# Altium PCB TEBF0808.PcbDoc (part 1 of 11) (continued)
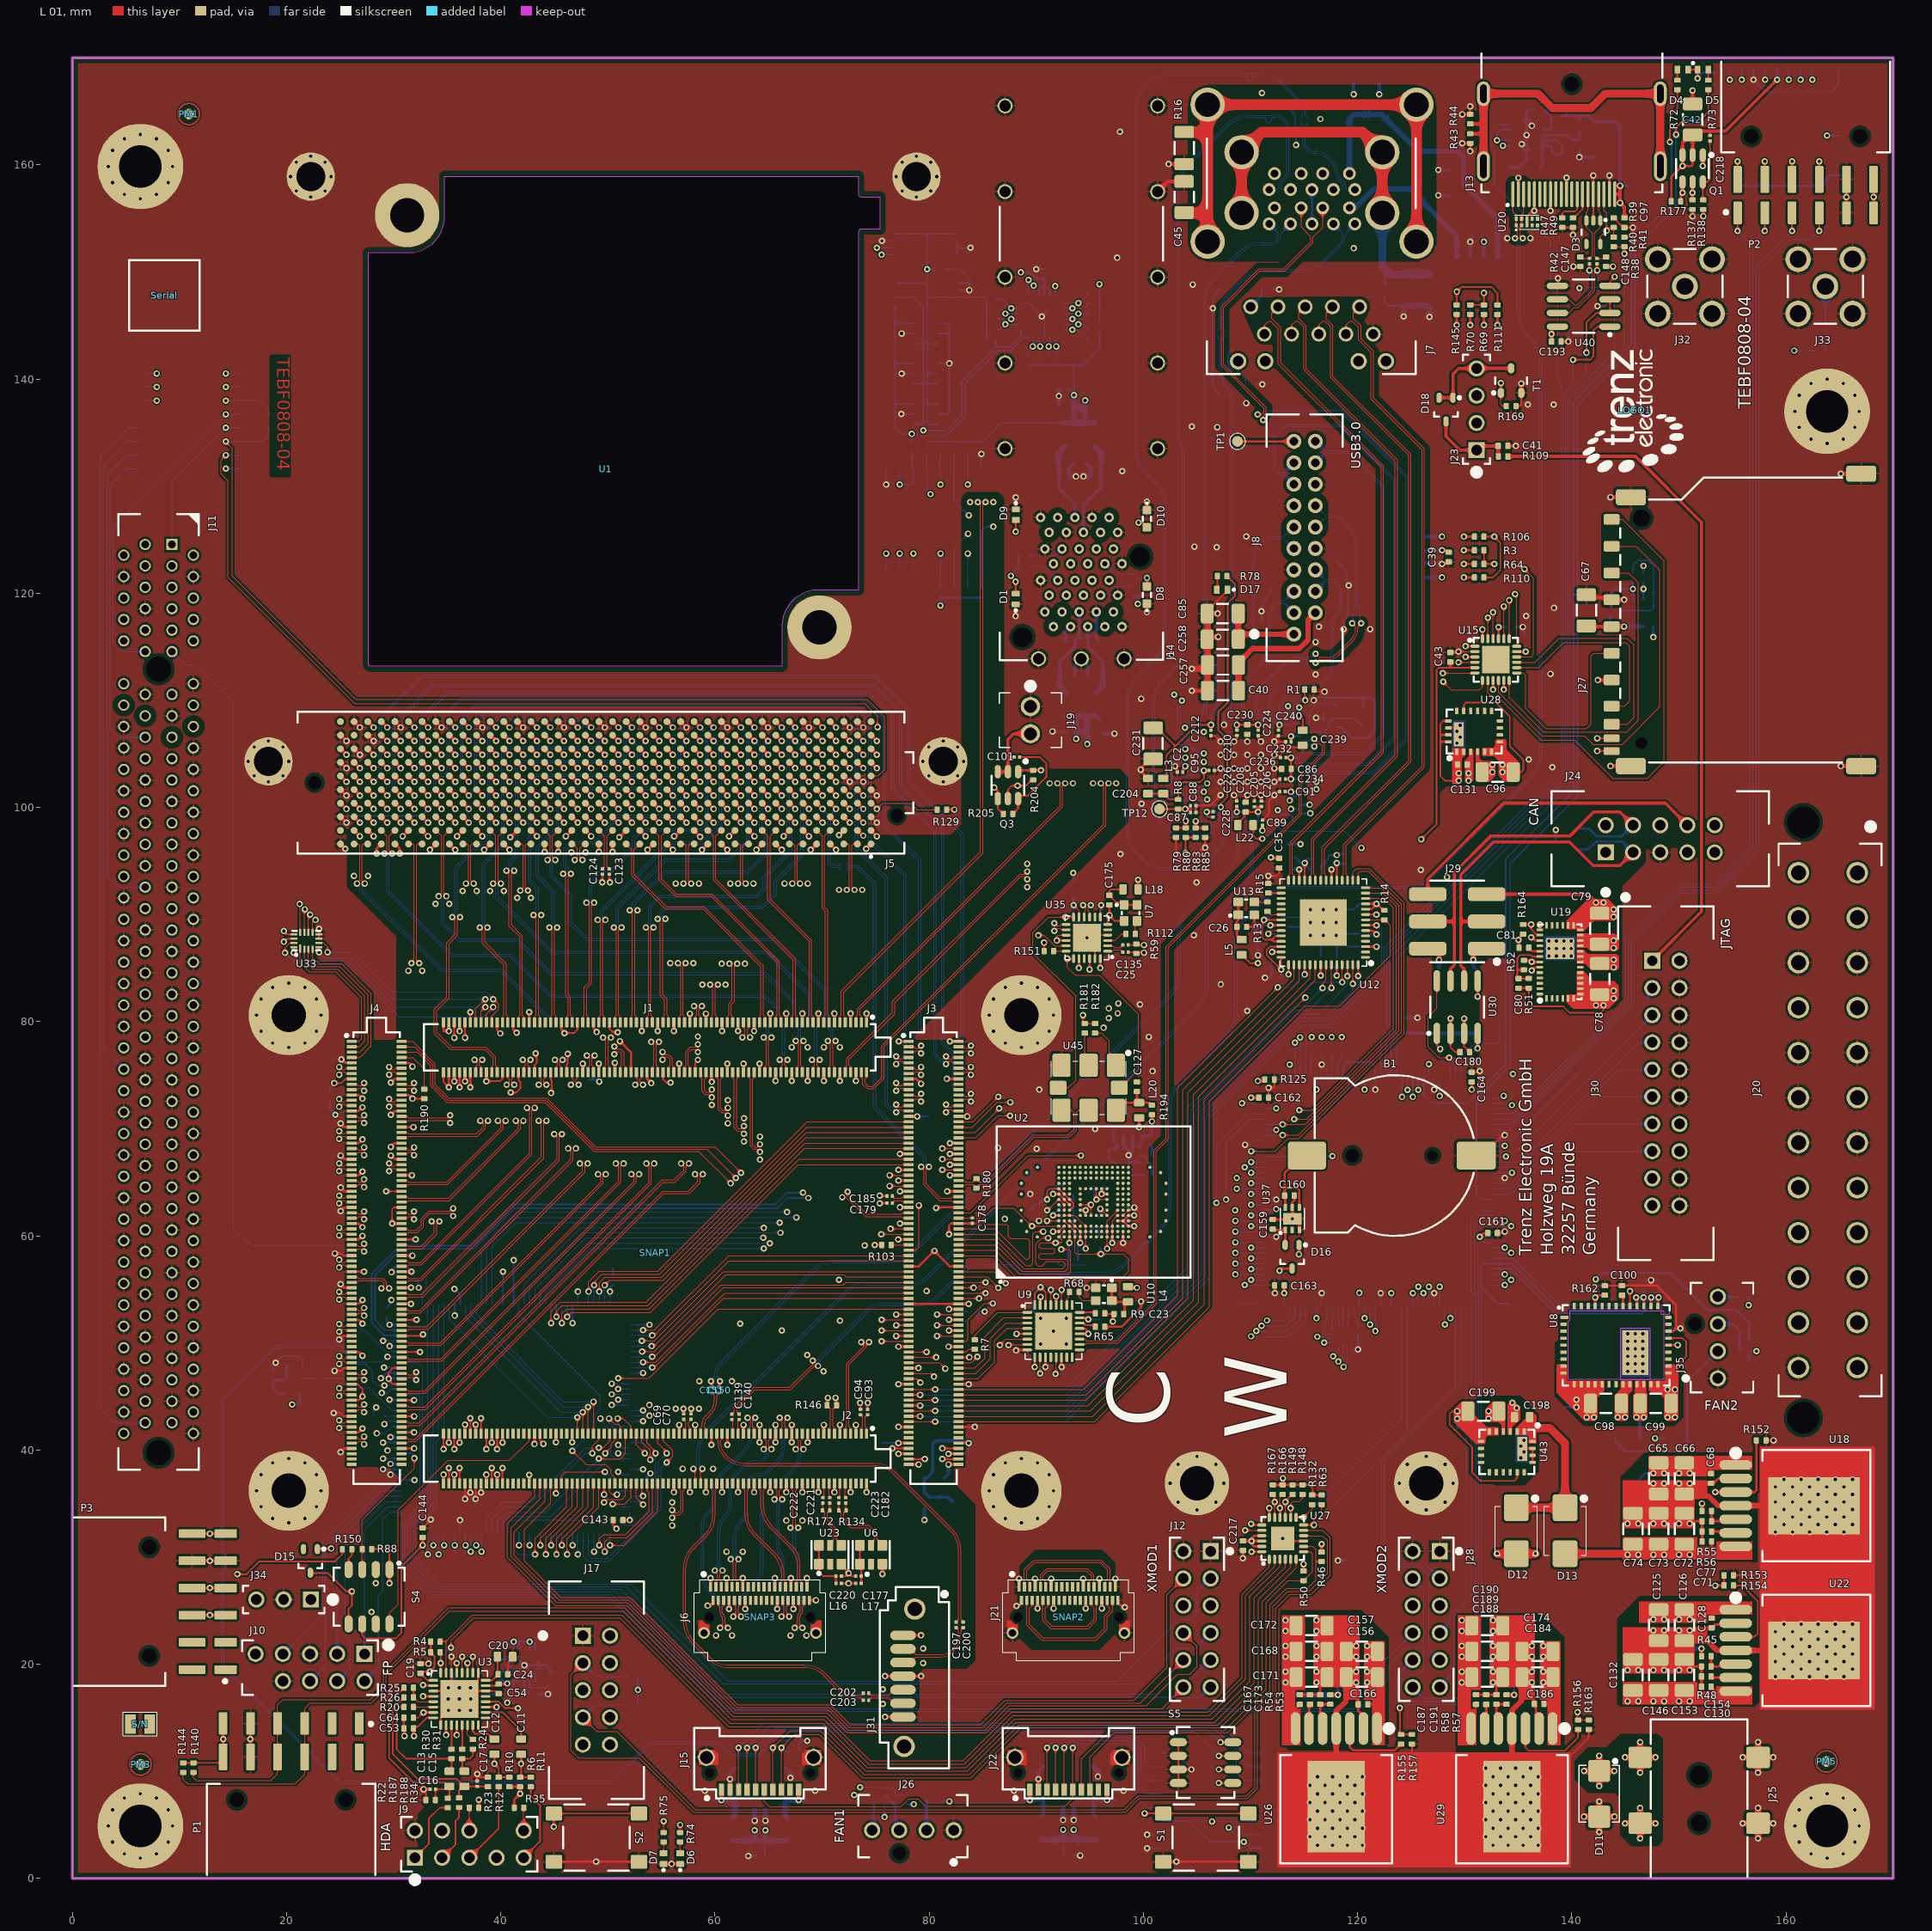
[diagram p0: L 01 view]
## Classes and differential pairs (continued)
differential pair B128_TX2: +B128_TX2_P -B128_TX2_N
differential pair B128_TX1: +B128_TX1_P -B128_TX1_N
differential pair B128_TX0: +B128_TX0_P -B128_TX0_N
differential pair B128_RX3: +B128_RX3_P -B128_RX3_N
differential pair B128_RX2: +B128_RX2_P -B128_RX2_N
differential pair B128_RX1: +B128_RX1_P -B128_RX1_N
differential pair B128_RX0: +B128_RX0_P -B128_RX0_N
differential pair U3D4: +U3D1_P -U3D1_N
differential pair U3D3: +U3D2_P -U3D2_N
differential pair U3D2: +U3D3_P -U3D3_N
differential pair U3D1: +U3D4_P -U3D4_N
differential pair USB3_RXUP: +USB3_RXUP_P -USB3_RXUP_N
differential pair USB3_TXUP: +USB3_TXUP_P -USB3_TXUP_N
differential pair USB0_D: +USB0_D_P -USB0_D_N
differential pair USB3_TXDN4_D: +USB3_TXDN4_D_P -USB3_TXDN4_D_N
differential pair USB3_RXDN4_D: +USB3_RXDN4_D_P -USB3_RXDN4_D_N
differential pair USB2_DN4_D: +USB2_DN4_D_P -USB2_DN4_D_N
differential pair USB3_TXDN3_D: +USB3_TXDN3_D_P -USB3_TXDN3_D_N
differential pair USB3_RXDN3_D: +USB3_RXDN3_D_P -USB3_RXDN3_D_N
differential pair USB2_DN3_D: +USB2_DN3_D_P -USB2_DN3_D_N
differential pair USB3_TXDN2_D: +USB3_TXDN2_D_P -USB3_TXDN2_D_N
differential pair USB3_RXDN2_D: +USB3_RXDN2_D_P -USB3_RXDN2_D_N
differential pair USB2_DN2_D: +USB2_DN2_D_P -USB2_DN2_D_N
differential pair USB3_TXDN1_D: +USB3_TXDN1_D_P -USB3_TXDN1_D_N
differential pair USB3_RXDN1_D: +USB3_RXDN1_D_P -USB3_RXDN1_D_N
differential pair USB2_DN1_D: +USB2_DN1_D_P -USB2_DN1_D_N
differential pair PCI_TX: +PCI_TX_P -PCI_TX_N
differential pair PCI_RX: +PCI_RX_P -PCI_RX_N
differential pair DP_AUX: +DP_AUX_P -DP_AUX_N
differential pair B65_L13: +B65_L13_P -B65_L13_N
differential pair B65_L10: +B65_L10_P -B65_L10_N
differential pair B65_L9: +B65_L9_P -B65_L9_N
differential pair B65_L8: +B65_L8_P -B65_L8_N
differential pair B65_L7: +B65_L7_P -B65_L7_N
differential pair B65_L6: +B65_L6_P -B65_L6_N
differential pair B65_L5: +B65_L5_P -B65_L5_N
differential pair B65_L4: +B65_L4_P -B65_L4_N
differential pair B65_L3: +B65_L3_P -B65_L3_N
differential pair B65_L2: +B65_L2_P -B65_L2_N
differential pair B65_L1: +B65_L1_P -B65_L1_N
differential pair B64_L24: +B64_L24_P -B64_L24_N
differential pair B64_L23: +B64_L23_P -B64_L23_N
differential pair B64_L22: +B64_L22_P -B64_L22_N
differential pair B64_L21: +B64_L21_P -B64_L21_N
differential pair B64_L20: +B64_L20_P -B64_L20_N
differential pair B64_L19: +B64_L19_P -B64_L19_N
differential pair B64_L18: +B64_L18_P -B64_L18_N
differential pair B64_L16: +B64_L16_P -B64_L16_N
differential pair B64_L15: +B64_L15_P -B64_L15_N
differential pair B64_L12: +B64_L12_P -B64_L12_N
differential pair B64_L11: +B64_L11_P -B64_L11_N
differential pair B64_L10: +B64_L10_P -B64_L10_N
differential pair B64_L9: +B64_L9_P -B64_L9_N
differential pair B64_L6: +B64_L6_P -B64_L6_N
differential pair B64_L5: +B64_L5_P -B64_L5_N
differential pair B64_L4: +B64_L4_P -B64_L4_N
differential pair B64_L3: +B64_L3_P -B64_L3_N
differential pair DP_TX_L0: +DP_TX_L0_P -DP_TX_L0_N
differential pair DP_TX_AUX: +DP_TX_AUX_P -DP_TX_AUX_N
differential pair B230_TX2: +B230_TX2_P -B230_TX2_N
differential pair B230_RX2: +B230_RX2_P -B230_RX2_N
differential pair B66_L24: +B66_L24_P -B66_L24_N
differential pair B66_L23: +B66_L23_P -B66_L23_N
differential pair B66_L22: +B66_L22_P -B66_L22_N
differential pair B66_L21: +B66_L21_P -B66_L21_N
differential pair B66_L20: +B66_L20_P -B66_L20_N
differential pair B66_L19: +B66_L19_P -B66_L19_N
differential pair B66_L18: +B66_L18_P -B66_L18_N
differential pair B66_L17: +B66_L17_P -B66_L17_N
differential pair B66_L16: +B66_L16_P -B66_L16_N
differential pair B66_L15: +B66_L15_P -B66_L15_N
differential pair B66_L14: +B66_L14_P -B66_L14_N
differential pair B66_L13: +B66_L13_P -B66_L13_N
differential pair B66_L12: +B66_L12_P -B66_L12_N
differential pair B66_L11: +B66_L11_P -B66_L11_N
differential pair B66_L10: +B66_L10_P -B66_L10_N
differential pair B66_L9: +B66_L9_P -B66_L9_N
differential pair B66_L8: +B66_L8_P -B66_L8_N
differential pair B66_L7: +B66_L7_P -B66_L7_N
differential pair B66_L6: +B66_L6_P -B66_L6_N
differential pair B66_L5: +B66_L5_P -B66_L5_N
differential pair B66_L4: +B66_L4_P -B66_L4_N
differential pair B66_L3: +B66_L3_P -B66_L3_N
differential pair B66_L2: +B66_L2_P -B66_L2_N
differential pair B66_L1: +B66_L1_P -B66_L1_N
differential pair B65_L23: +B65_L23_P -B65_L23_N
differential pair B65_L22: +B65_L22_P -B65_L22_N
differential pair B65_L21: +B65_L21_P -B65_L21_N
differential pair B65_L20: +B65_L20_P -B65_L20_N
differential pair B65_L18: +B65_L18_P -B65_L18_N
differential pair B230_TX3: +B230_TX3_P -B230_TX3_N
differential pair B230_RX3: +B230_RX3_P -B230_RX3_N
differential pair PET0: +PET0_P -PET0_N
differential pair B228_TX3: +B228_TX3_P -B228_TX3_N
differential pair B228_TX2: +B228_TX2_P -B228_TX2_N
differential pair B228_TX1: +B228_TX1_P -B228_TX1_N
differential pair B228_TX0: +B228_TX0_P -B228_TX0_N
differential pair B228_RX3: +B228_RX3_P -B228_RX3_N
differential pair B228_RX2: +B228_RX2_P -B228_RX2_N
differential pair B228_RX1: +B228_RX1_P -B228_RX1_N
differential pair B228_RX0: +B228_RX0_P -B228_RX0_N
differential pair PCI_REF: +PCI_REF_P -PCI_REF_N
differential pair PHY_MDI3: +PHY_MDI3_P -PHY_MDI3_N
differential pair PHY_MDI2: +PHY_MDI2_P -PHY_MDI2_N
differential pair PHY_MDI1: +PHY_MDI1_P -PHY_MDI1_N
differential pair PHY_MDI0: +PHY_MDI0_P -PHY_MDI0_N
differential pair CLK0: +CLK0_P -CLK0_N
differential pair B229_RX0: +B229_RX0_P -B229_RX0_N
differential pair B229_RX1: +B229_RX1_P -B229_RX1_N
differential pair B229_RX2: +B229_RX2_P -B229_RX2_N
differential pair B229_RX3: +B229_RX3_P -B229_RX3_N
differential pair B229_TX0: +B229_TX0_P -B229_TX0_N
differential pair B229_TX1: +B229_TX1_P -B229_TX1_N
differential pair B229_TX2: +B229_TX2_P -B229_TX2_N
differential pair B229_TX3: +B229_TX3_P -B229_TX3_N
differential pair B230_RX0: +B230_RX0_P -B230_RX0_N
differential pair B230_RX1: +B230_RX1_P -B230_RX1_N
differential pair B230_TX0: +B230_TX0_P -B230_TX0_N
differential pair B230_TX1: +B230_TX1_P -B230_TX1_N
differential pair USB3_RXUPC: +USB3_TXUPC_P -USB3_TXUPC_N
differential pair USB3_TXUPC: +USB3_RXUPC_P -USB3_RXUPC_N
differential pair B65_L12: +B65_L12_P -B65_L12_N
differential pair B228_CLK0: +B228_CLK0_P -B228_CLK0_N
differential pair B229_CLK0: +B229_CLK0_P -B229_CLK0_N
differential pair DP0_TX: +DP0_TX_P -DP0_TX_N
differential pair B48_L1: +B48_L1_P -B48_L1_N
differential pair B48_L2: +B48_L2_P -B48_L2_N
differential pair B48_L3: +B48_L3_P -B48_L3_N
differential pair B48_L4: +B48_L4_P -B48_L4_N
differential pair B48_L5: +B48_L5_P -B48_L5_N
differential pair B48_L8: +B48_L8_P -B48_L8_N
differential pair B48_L9: +B48_L9_P -B48_L9_N
differential pair B48_L10: +B48_L10_P -B48_L10_N
differential pair B48_L11: +B48_L11_P -B48_L11_N
differential pair B48_L12: +B48_L12_P -B48_L12_N
differential pair B64_L1: +B64_L1_P -B64_L1_N
differential pair B64_L2: +B64_L2_P -B64_L2_N
differential pair B64_L7: +B64_L7_P -B64_L7_N
differential pair B64_L8: +B64_L8_P -B64_L8_N
differential pair B64_L13: +B64_L13_P -B64_L13_N
differential pair B64_L17: +B64_L17_P -B64_L17_N
differential pair B65_L11: +B65_L11_P -B65_L11_N
differential pair B65_L15: +B65_L15_P -B65_L15_N
differential pair B65_L16: +B65_L16_P -B65_L16_N
differential pair B65_L17: +B65_L17_P -B65_L17_N
differential pair B65_L19: +B65_L19_P -B65_L19_N
differential pair B65_L24: +B65_L24_P -B65_L24_N
differential pair FF_L1: +FF_L1_P -FF_L1_N
differential pair FF_L2: +FF_L2_P -FF_L2_N
differential pair FF_L3: +FF_L3_P -FF_L3_N
differential pair FF_L4: +FF_L4_P -FF_L4_N

## Components (designator, comment, footprint, x,y, rotation, side; value= is the part's Value field where it differs from the comment)
B1 "Batteriehalter CR1220" CR1220 123.5,67.5 r180 top locked
C1 "22µF" CAPC3216X180N 79.55,35.95 r90 bottom
C2 "100nF" CAPC0603X33N 103.423,103.3 r180 top
C3 "100nF" CAPC0603X33N 114.65,164.177 r270 bottom
C4 "100nF" CAPC0603X33N 115.35,164.177 r270 bottom
C5 "100nF" CAPC0603X33N 106.881,144.27 r90 bottom
C6 "100nF" CAPC0603X33N 107.581,144.27 r90 bottom
C7 "100nF" CAPC0603X33N 110.611,115.975 r90 bottom
C8 "100nF" CAPC0603X33N 109.936,115.975 r90 bottom
C9 "100nF" CAPC0603X33N 120.221,118.302 r90 bottom
C10 "100nF" CAPC0603X33N 119.571,118.302 r90 bottom
C11 "10µF" CAPC1608X90N 41.9,12.3 r270 top
C12 "10µF" CAPC1608X90N 39.4,12.3 r270 top
C13 "10µF" CAPC1608X90N 35.2,9.3 r270 top
C14 "470nF" CAPC1005X55N 120.6,91 r180 bottom
C15 "10µF" CAPC1608X90N 36.6,9.3 r270 top
C16 "100nF" CAPC0603X33N 33.652,8.325 r0 top
C17 "100nF" CAPC0603X33N 37.8,8.848 r270 top
C18 "10µF" CAPC1608X90N 34.89,19.19 r0 bottom
C19 "470nF" CAPC1005X55N 32.5,19.6 r90 top
C20 "10µF" CAPC1608X90N 40.4,20.7 r0 top
C21 "470nF" CAPC1005X55N 93.75,50.87 r180 bottom
C22 "470nF" CAPC1005X55N 91.85,53.25 r270 bottom
C23 "470nF" CAPC1005X55N 97.7,52.7 r180 top
C24 "470nF" CAPC1005X55N 40.2,19.05 r0 top
C25 "100nF" CAPC0603X33N 98.325,86.475 r180 top
C26 "470nF" CAPC1005X55N 109.175,88.85 r0 top
C27 "470nF" CAPC1005X55N 116.55,85.607 r90 bottom
C28 "470nF" CAPC1005X55N 118.05,85.557 r90 bottom
C29 "470nF" CAPC1005X55N 113.45,94.2 r180 bottom
C30 "470nF" CAPC1005X55N 112.4,89.75 r0 bottom
C31 "470nF" CAPC1005X55N 120.55,87 r180 bottom
C32 "4.7µF" CAPC1005X60N 118.85,95.2 r90 bottom
C33 "470nF" CAPC1005X55N 116.15,94.025 r180 bottom
C34 "10µF" CAPC1608X90N 116.55,95.2 r180 bottom
C35 "470nF" CAPC1005X55N 112.675,94.8 r90 top
C36 "4.7µF" CAPC1005X60N 112.4,85.55 r180 bottom
C37 "470nF" CAPC1005X55N 112.4,84.1 r180 bottom
C38 "470nF" CAPC1005X55N 120.55,88.2 r180 bottom
C39 "4.7µF" CAPC1005X60N 128.5,123.375 r270 top
C40 "100µF" CAPC3216X180N 107.425,110.9 r180 top
C41 "4.7µF" CAPC1005X60N 133.575,133.75 r180 top
C42 "47µF" CAPC3216X180N 151.275,164.225 r90 top
C43 "470nF" CAPC1005X55N 128.65,114.025 r90 top
C44 "470nF" CAPC1005X55N 111.475,148.375 r0 bottom
C45 "100pF" CAPC3216X180N 103.8,156.994 r90 top
C46 "470nF" CAPC1005X55N 134.275,116.85 r180 bottom
C47 "470nF" CAPC1005X55N 93.3,107.1 r180 bottom
C48 "10µF" CAPC1608X90N 95.5,106.9 r0 bottom
C49 "10µF" CAPC1608X90N 95.5,112.3 r180 bottom
C50 "470nF" CAPC1005X55N 95.3,115.6 r0 bottom
C51 "10µF" CAPC1608X90N 92.9,112.3 r0 bottom
C52 "470nF" CAPC1005X55N 93.2,115.6 r180 bottom
C53 "470nF" CAPC1005X55N 31.4,14 r180 top
C54 "470nF" CAPC1005X55N 39.8,17.7 r270 top
C55 "100µF" CAPC3216X180N 41.8,13.3 r270 bottom
C56 "100µF" CAPC3216X180N 39.4,13.3 r270 bottom
C57 "470nF" CAPC1005X55N 92.55,139.15 r180 bottom
C58 "10µF" CAPC1608X90N 92.8,137.5 r180 bottom
C59 "10µF" CAPC1608X90N 92.76,132.1 r0 bottom
C60 "470nF" CAPC1005X55N 92.56,130.9 r0 bottom
C61 "10µF" CAPC1608X90N 95.36,132.1 r180 bottom
C62 "470nF" CAPC1005X55N 95.56,130.9 r180 bottom
C63 "10µF" CAPC1608X90N 33.7,16.3 r90 bottom
C64 "470nF" CAPC1005X55N 31.4,15 r180 top
C65 "22µF" CAPC3216X180N 148.1,37.35 r90 top
C66 "22µF" CAPC3216X180N 150.5,37.35 r90 top
C67 "47µF" CAPC3216X180N 141.35,118.4 r90 top
C68 "33nF" CAPC1005X55N 153,37.35 r270 top
C69 "100nF" CAPC0603X33N 57.075,43.125 r270 top
C70 "100nF" CAPC0603X33N 57.75,43.127 r270 top
C71 "220nF" CAPC1005X55N 152.6,31.45 r180 top
C72 "100µF" CAPC3216X180N 150.5,32.65 r90 top
C73 "100µF" CAPC3216X180N 148.1,32.65 r90 top
C74 "100µF" CAPC3216X180N 145.7,32.65 r90 top
C75 "470nF" CAPC1005X55N 93.035,87.575 r0 bottom
C76 "470nF" CAPC1005X55N 93.475,89.765 r270 bottom
C77 "220nF" CAPC1005X55N 152.6,32.4 r180 top
C78 "47µF" CAPC3216X180N 142.6,83.975 r90 top
C79 "22µF" CAPC3216X180N 142.6,88.675 r90 top
C80 "15pF" CAPC1005X55N 135.025,83.57 r90 top
C81 "33nF" CAPC1005X55N 135.525,86.9 r180 top
C82 "4.7µF" CAPC1005X60N 131.175,153.6 r180 bottom
C83 "100µF" CAPC3216X180N 127.1,157.15 r0 bottom
C84 "100µF" CAPC3216X180N 122.025,166.15 r90 bottom
C85 "100µF" CAPC3216X180N 107.4,118.1 r180 top
C86 "4.7µF" CAPC1005X60N 113.35,103.6 r0 top
C87 "100nF" CAPC0603X33N 104.65,99.525 r0 top
C88 "10nF" CAPC0603X33N 104.65,100.175 r0 top
C89 "100nF" CAPC0603X33N 111.111,98.57 r270 top
C91 "100nF" CAPC0603X33N 112.975,101.475 r0 top
C93 "100nF" CAPC0603X33N 74.231,43.55 r270 top
C94 "100nF" CAPC0603X33N 73.581,43.55 r270 top
C95 "100nF" CAPC0603X33N 106.375,103.45 r180 top
C96 "47µF" CAPC3216X180N 133.075,103.3 r180 top
C97 "470nF" CAPC1005X55N 144.9,154.6 r270 top
C98 "47µF" CAPC3216X180N 143.176,44.351 r0 top
C99 "22µF" CAPC3216X180N 147.826,44.351 r0 top
C100 "33nF" CAPC1005X55N 144.676,54.901 r270 top
C101 "10nF" CAPC0603X33N 88.177,104.7 r0 top
C103 "22µF" CAPC3216X180N 64.2,4.95 r270 bottom
C104 "470nF" CAPC1005X55N 64.2,2.1 r0 bottom
C105 "22µF" CAPC3216X180N 61.85,8.9 r90 bottom
C106 "470nF" CAPC1005X55N 59.85,7.75 r270 bottom
C107 "4.7µF" CAPC1005X60N 90.25,62.525 r270 bottom
C108 "470nF" CAPC1005X55N 98.425,62.275 r90 bottom
C109 "22µF" CAPC3216X180N 66.55,8.9 r270 bottom
C110 "470nF" CAPC1005X55N 68.55,7.75 r90 bottom
C111 "22µF" CAPC3216X180N 93,5 r270 bottom
C112 "470nF" CAPC1005X55N 93,2.15 r180 bottom
C113 "22µF" CAPC3216X180N 90.65,9 r90 bottom
C114 "470nF" CAPC1005X55N 88.7,7.75 r270 bottom
C115 "4.7µF" CAPC1005X60N 93,64.75 r0 bottom
C116 "470nF" CAPC1005X55N 95.875,64.625 r180 bottom
C117 "22µF" CAPC3216X180N 95.35,9 r270 bottom
C118 "470nF" CAPC1005X55N 97.35,7.75 r90 bottom
C119 "470nF" CAPC1005X55N 93.45,58.65 r0 bottom
C120 "470nF" CAPC1005X55N 93.45,57.75 r0 bottom
C121 "100nF" CAPC0603X33N 72.05,94.826 r180 bottom
C122 "100nF" CAPC0603X33N 72.05,94.176 r180 bottom
C123 "100nF" CAPC0603X33N 50.13,94.012 r90 top
C124 "100nF" CAPC0603X33N 49.486,94.013 r90 top
C125 "22µF" CAPC3216X180N 148.1,23.65 r90 top
C126 "22µF" CAPC3216X180N 150.5,23.65 r90 top
C127 "470nF" CAPC1005X55N 99.4,73.925 r270 top
C128 "33nF" CAPC1005X55N 153.05,23.85 r270 top
C129 "22µF" CAPC3216X180N 135.565,159.735 r180 bottom
C130 "470nF" CAPC1005X55N 152.55,17.9 r180 top
C131 "4.7µF" CAPC1005X60N 129.775,104 r0 top
C132 "100µF" CAPC3216X180N 145.7,19 r90 top
C134 "1nF" CAPC1005X55N 137.015,165.135 r0 bottom
C135 "100nF" CAPC0603X33N 98.325,87.15 r180 top
C136 "10µF" CAPC1608X90N 110.7,87.7 r270 bottom
C137 "22µF" CAPC3216X180N 142.415,162.585 r90 bottom
C138 "470nF" CAPC1005X55N 80.9,150.25 r0 bottom
C139 "100nF" CAPC0603X33N 61.575,43.1 r90 top
C140 "100nF" CAPC0603X33N 62.25,43.1 r90 top
C141 "470nF" CAPC1005X55N 29.35,52.85 r90 bottom
C142 "470nF" CAPC1005X55N 50.45,55.85 r90 bottom
C143 "470nF" CAPC1005X55N 50.95,33.45 r180 top
C144 "470nF" CAPC1005X55N 32.7,32.28 r90 top
C145 "470nF" CAPC1005X55N 18.725,46.95 r90 bottom
C146 "100µF" CAPC3216X180N 148.1,19 r90 top
C147 "100nF" CAPC0603X33N 141.65,151 r270 top
C148 "100nF" CAPC0603X33N 142.35,151 r270 top
C149 "100pF" CAPC3216X180N 124.3,148.3 r270 bottom
C150 "100nF" CAPC0603X33N 60.375,45.6 r90 top
C151 "100nF" CAPC0603X33N 59.725,45.6 r90 top
C152 "100nF" CAPC0603X33N 110.45,97.375 r90 bottom
C153 "100µF" CAPC3216X180N 150.5,19 r90 top
C154 "220nF" CAPC1005X55N 152.55,18.85 r180 top
C155 "100nF" CAPC0603X33N 109.809,97.375 r90 bottom
C156 "22µF" CAPC3216X180N 120.4,18.8 r0 top
C157 "22µF" CAPC3216X180N 120.4,21.2 r0 top
C158 "470nF" CAPC1005X55N 89.6,54.4 r90 bottom
C159 "4.7µF" CAPC1005X60N 112.075,61.075 r90 top
C160 "4.7µF" CAPC1005X60N 113.625,63.75 r0 top
C161 "470nF" CAPC1005X55N 132.6,60.25 r0 top
C162 "470nF" CAPC1005X55N 111.23,72.9 r0 top
C163 "470nF" CAPC1005X55N 112.7,55.375 r180 top
C164 "470nF" CAPC1005X55N 130.65,74.82 r90 top
C165 "470nF" CAPC1005X55N 135.575,115.6 r270 bottom
C166 "33nF" CAPC1005X55N 120.5,16.25 r180 top
C167 "470nF" CAPC1005X55N 114.6,16.7 r90 top
C168 "100µF" CAPC3216X180N 115.7,21.2 r0 top
C169 "470nF" CAPC1005X55N 112.95,88.85 r0 bottom
C170 "220nF" CAPC1005X55N 112.4,87.5 r270 bottom
C171 "100µF" CAPC3216X180N 115.7,18.8 r0 top
C172 "100µF" CAPC3216X180N 115.7,23.6 r0 top
C173 "220nF" CAPC1005X55N 115.55,16.7 r90 top
C174 "22µF" CAPC3216X180N 136.8,18.8 r0 top
C175 "470nF" CAPC1005X55N 96.825,91.35 r270 top
C176 "100nF" CAPC0603X33N 161.647,142.65 r0 bottom
C177 "470nF" CAPC0603X33N 73.4,28.225 r0 top
C178 "100nF" CAPC0603X33N 84.025,61.425 r90 top
C179 "100nF" CAPC0603X33N 76.3,63.066 r0 top
C180 "470nF" CAPC1005X55N 130,77.15 r0 top
C181 "470nF" CAPC1005X55N 97.675,69.325 r180 bottom
C182 "100nF" CAPC0603X33N 72.214,35.3 r90 top
C183 "470nF" CAPC1005X55N 95.925,86.065 r90 bottom
C184 "22µF" CAPC3216X180N 136.8,21.2 r0 top
C185 "100nF" CAPC0603X33N 76.3,63.716 r0 top
C186 "33nF" CAPC1005X55N 136.95,16.3 r180 top
C187 "470nF" CAPC1005X55N 131.05,16.7 r90 top
C188 "100µF" CAPC3216X180N 132.1,18.8 r0 top
C189 "100µF" CAPC3216X180N 132.1,21.2 r0 top
C190 "100µF" CAPC3216X180N 132.1,23.6 r0 top
C191 "220nF" CAPC1005X55N 132,16.7 r90 top
C192 "33nF" CAPC1608X90N 124.55,79.65 r270 bottom
C193 "470nF" CAPC1005X55N 138.555,143.495 r0 top
C194 "470nF" CAPC1005X55N 96.025,89.775 r270 bottom
C195 "470nF" CAPC1005X55N 93.975,86.075 r90 bottom
C196 "4.7µF" CAPC1005X60N 99.425,69.325 r180 bottom
C197 "100nF" CAPC0603X33N 82.525,23.675 r270 top
C198 "10µF" CAPC1608X90N 135.35,43.075 r180 top
C199 "47µF" CAPC3216X180N 131.734,43.616 r0 top
C200 "100nF" CAPC0603X33N 83.175,23.675 r270 top
C202 "100nF" CAPC0603X33N 74.1,17.3 r0 top
C203 "100nF" CAPC0603X33N 74.1,16.65 r0 top
C204 "10µF" CAPC1608X90N 100.425,102 r90 top
C205 "100nF" CAPC0603X33N 110.364,100.325 r90 top
C206 "10nF" CAPC0603X33N 111.014,100.327 r90 top
C207 "4.7µF" CAPC1005X60N 39.8,20.9 r270 bottom
C208 "4.7µF" CAPC1005X60N 109.55,100.025 r270 top
C210 "100nF" CAPC0603X33N 108.725,106.975 r90 top
C212 "100nF" CAPC0603X33N 106.3,106.95 r90 top
C214 "1nF" CAPC1005X55N 44.6,18.65 r270 bottom
C215 "470nF" CAPC1005X55N 90.775,149.805 r270 bottom
C216 "4.7µF" CAPC1005X60N 39.8,18.9 r90 bottom
C217 "470nF" CAPC1005X55N 109.3,31.075 r90 top
C218 "10nF" CAPC0603X33N 152.9,162.477 r270 top
C219 "10nF" CAPC0603X33N 144.45,118.125 r90 bottom
C220 "470nF" CAPC0603X33N 71.55,28.225 r180 top
C221 "100nF" CAPC0603X33N 70.709,35.3 r90 top
C222 "100nF" CAPC0603X33N 70.059,35.3 r90 top
C223 "100nF" CAPC0603X33N 71.564,35.3 r90 top
C224 "100nF" CAPC0603X33N 110.725,106.95 r90 top
C226 "100nF" CAPC0603X33N 108.7,100.35 r270 top
C228 "100nF" CAPC0603X33N 106.5,99.348 r270 top
C230 "4.7µF" CAPC1005X60N 109.7,107.275 r270 top
C231 "22µF" CAPC3216X180N 100.9,105.975 r90 top
C232 "100nF" CAPC0603X33N 113.527,106.125 r0 top
C234 "100nF" CAPC0603X33N 113,102.65 r0 top
C236 "100nF" CAPC0603X33N 113.05,104.65 r0 top
C239 "10µF" CAPC1608X90N 114.875,106.5 r270 top
C240 "100nF" CAPC0603X33N 112.6,106.948 r90 top
C255 "10pF" CAPC1005X55N 116.8,109.225 r90 bottom
C256 "10pF" CAPC1005X55N 116.8,107.525 r270 bottom
C257 "100µF" CAPC3216X180N 107.425,113.3 r180 top
C258 "100µF" CAPC3216X180N 107.4,115.7 r180 top
C259 "100µF" CAPC3216X180N 127.1,159.525 r0 bottom
C260 "100µF" CAPC3216X180N 119.625,166.15 r90 bottom
C261 "15pF" CAPC1005X55N 122.55,148.3 r270 bottom
D1 "LED Red SML-P11UTT86" LEDC1006X25N_RED 88.075,119.47 r270 top
D2 "MBR0520LT1G" SOD3816X120N 139.065,162.785 r270 bottom
D3 "TVS WE82402374" SOT65P210X110-5N 142,153.7 r270 top locked
D4 "LED Green SML-P11MTT86" LEDC1006X25N_GREEN 150.35,168.89 r0 top
D5 "LED Red SML-P11UTT86" LEDC1006X25N_RED 152.24,168.89 r180 top
D6 "LED Green SML-P11MTT86" LEDC1006X25N_GREEN 56.75,1.85 r270 top
D7 "LED Red SML-P11UTT86" LEDC1006X25N_RED 55.2,1.85 r270 top
D8 "Chip LED 0603 Bright Green" chipLED_0603_Green 100.325,119.83 r90 top
D9 "LED Red SML-P11UTT86" LEDC1006X25N_RED 88.08,127.335 r90 top
D10 "Chip LED 0603 Bright Green" chipLED_0603_Green 100.325,126.95 r270 top
D11 "SMBJ20A, 20V, 600W" DIOM5236X261N 142.55,7.9 r270 top
D12 "B360B-13-F" DIOM4336X250N 134.816,32.466 r270 top
D13 "B360B-13-F" DIOM4336X250N 139.366,32.466 r270 top
D14 "CDSOT23-T24CAN" SOT95P237X112-3N 139.65,97.05 r180 bottom
D15 "SDMG0340LC-7-F" SOT65P210X110-3N 22.225,29.65 r270 top
D16 "SDMG0340LC-7-F" SOT65P210X110-3N 113.875,58.05 r270 top
D17 "LED Green SML-P11MTT86" LEDC1006X25N_GREEN 107.35,120.325 r0 top
D18 "SDMG0340LC-7-F" SOT65P210X110-3N 128.25,137.15 r270 top
J1 "SS5-80-3.50-L-D-K-TR" SS5-80-3.50-L-D-K-TR 54.405,77.603 r180 top locked
J2 "SS5-80-3.50-L-D-K-TR" SS5-80-3.50-L-D-K-TR 54.405,39.203 r180 top locked
J3 "SS5-80-3.50-L-D-K-TR" SS5-80-3.50-L-D-K-TR 80.405,58.403 r270 top locked
J4 "SS5-80-3.50-L-D-K-TR" SS5-80-3.50-L-D-K-TR 28.405,58.403 r270 top locked
J5 "ASP-134486-01, CC-HPC-10" ASP-134486-01B 49.8,102.3 r0 top locked
J6 "UEC5-019-1-X-D-RA-1-A" UEC5-019-1-X-D-RA-1-A 64.2,24.4 r0 top locked
J7 "USB3.0 A 2x , RJ45 1x  Stacked" 7497110616 115.735,150.453 r180 top locked
J8 "USB3 WANNE 19Pol." WANNE2mm2R-19_Intel_USB 115.05,125.175 r90 top locked
J9 "INTEL HDA Header 9Pol." INTEL_FP_HDA_9PIN 37.061,3.2 r0 top locked
J10 "INTEL RST-LED Header 9Pol." INTEL_FP_RST_LED_9PIN 22.19,19.69 r180 top locked
J11 "PCIe-x16-E.C.Connector" PCIe-x16-E.C.Connector 8.05,112.9 r270 top locked
J12 "TE0790-Base" TE0790-Base 105,24.2 r0 top locked
J13 "Display Port Buchse" 8470-2-2-X 140,164.4 r180 top locked
J14 "SFP+ 2x1 Connector" 1-2007492-5 94.2,141.5 r180 top locked
J15 "UCC8-010-1-H-S-1-A" UCC8-010-1-X-S-1-A 64.2,9.85 r0 top locked
J16 "microSD Memory Card Connector with Detec" 104031-0811 159.3,163.425 r0 bottom locked
J17 "WANNE2,54-10 GERADE" "WANNE2,54-10 GERADE" 48.925,17.575 r270 top locked
J19 "Wire to board, 2 pol. header" Molex22-27-2021 89.45,108.15 r90 top
J20 "SDA-44206-0001/SDA-44206-0007" SDA-44206-0001 163.9,70.8 r90 top locked
J21 "UEC5-019-1-X-D-RA-1-A" UEC5-019-1-X-D-RA-1-A 93,24.4 r0 top locked
J22 "UCC8-010-1-H-S-1-A" UCC8-010-1-X-S-1-A 93,9.85 r0 top locked
J23 "Pin Header 2.54 1Row 4Pins" "STIFTLEISTE2_54 OG 1R-4" 131.1,137.17 r270 top
J24 "WANNE2,54-10 GERADE" "WANNE2,54-10 GERADE" 148.25,97.07 r0 top locked
J25 "Power Jack 2.1mm 90° SMD" 694106106102 151.88,7.5 r0 top locked
J26 "Stiftleiste 4 Pol. 2,54mm" 47053-1000 78.475,3.425 r0 top
J27 "MMC SD Socket" 104C-TAA0-R 157.01,117.51 r90 top locked
J28 "TE0790-Base" TE0790-Base 126.4,24.2 r0 top locked
J29 "SMD-254-9132-14-6" SMD-254-9132-14-6 129.3,89.35 r90 top locked
J30 "WANNE2,54-20 GERADE" "WANNE2,54-20 GERADE" 148.775,74.25 r270 top locked
J31 "Molex 67800-5005" 67800-5005 77.55,18.885 r270 top locked
J32 "SMA Coaxial straight" SMA-R125426000 150.55,148.646 r90 top locked
J33 "SMA Coaxial straight" SMA-R125426000 163.666,148.646 r90 top locked
J34 "JUMPER2.54-3" JUMPER2_54-3 19.725,26.04 r0 top locked
J35 "Stiftleiste 4 Pol. 2,54mm" 47053-1000 152.553,50.499 r270 top locked
L1 "1µH" INDC2520X100N 82.15,36.3 r90 bottom
L2 "1µH" INDC2520X100N 61.65,4.6 r90 bottom
L3 "MPZ1608S221A" INDC1608X95N 101.85,102 r90 top
L4 "MPZ1608S221A" INDC1608X95N 98.55,54.55 r270 top
L5 "MPZ1608S221A" INDC1608X95N 109.175,86.95 r90 top
L6 "1µH" INDC2520X100N 66.75,4.6 r90 bottom
L7 "MPZ1608S221A" INDC1608X95N 113.475,95.325 r0 bottom
L8 "1µH" INDC2520X100N 92.8,109.6 r90 bottom
L9 "1µH" INDC2520X100N 95.6,109.6 r90 bottom
L10 "MPZ1608S221A" INDC1608X95N 93.45,92.4 r90 bottom
L11 "1µH" INDC2520X100N 95.46,134.8 r270 bottom
L12 "1µH" INDC2520X100N 92.66,134.8 r270 bottom
L13 "1µH" INDC2520X100N 90.45,4.7 r90 bottom
L14 "1µH" INDC2520X100N 95.55,4.7 r90 bottom
L15 "MPZ1608S221A" INDC1608X95N 20.525,45.3 r0 bottom
L16 "BKP0603HS121-T" INDC0603X33N 71.55,27.55 r180 top
L17 "BKP0603HS121-T" INDC0603X33N 73.4,27.55 r0 top
L18 "MPZ1608S221A" INDC1608X95N 98.8,92.35 r180 top
L19 "MPZ1608S221A" INDC1608X95N 80.45,7.2 r0 bottom
L20 "MPZ1608S221A" INDC1608X95N 99.6,71.725 r270 top
L21 "MPZ1608S221A" INDC1608X95N 150.775,39.725 r270 bottom
L22 "MPZ1608S221A" INDC1608X95N 109.525,98.35 r180 top
LOGO1 "LOGO PRINT" "LOGO PRINT" 145.875,137.1 r90 top
M1 "FAN 5VDC 45X5MM .7W 1.06CFM" F455B-05MD 50.51,136.05 r0 bottom locked
P1 "PMod 2x6 SMD Host Socket 90°" 610112249221 20.43,4.59 r180 top locked
P2 "PMod 2x6 SMD Host Socket 90°" 610112249221 161.825,165.4 r0 top locked
P3 "PMod 2x6 SMD Host Socket 90°" 610112249221 4.425,25.85 r90 top locked
PM1 "FIDU-DOT - small" "FIDU-DOT - small" 10.867,164.736 r90 top
PM2 "FIDU-DOT - small" "FIDU-DOT - small" 10.867,164.736 r90 bottom
PM3 "FIDU-DOT - small" "FIDU-DOT - small" 6.366,10.638 r90 top
PM4 "FIDU-DOT - small" "FIDU-DOT - small" 6.366,10.638 r90 bottom
PM5 "FIDU-DOT - small" "FIDU-DOT - small" 163.77,10.919 r90 top
PM6 "FIDU-DOT - small" "FIDU-DOT - small" 163.77,10.919 r90 bottom
Q1 "TPS27082LDDCR" SOT95P280X110-6N 151.275,159.65 r270 top
Q2 "TPS27082LDDCR" SOT95P280X110-6N 146.65,118.15 r90 bottom
Q3 "TPS27082LDDCR" SOT95P280X110-6N 87.35,102.075 r270 top locked
R1 "10K" RESC1005X40N 115.5,111 r180 top
R2 "4K99" RESC1005X40N 24.55,99.65 r90 bottom
R3 "10K" RESC1005X40N 131.35,124.01 r180 top
R4 "2K" RESC1005X40N 33.9,22.1 r180 top
R5 "2K" RESC1005X40N 33.9,21.125 r180 top
R6 "10K" RESC1005X40N 41.8,9 r90 top
R7 "33R" RESC1005X40N 84.25,49.85 r270 top
R8 "0R" RESC1005X40N 103.25,100.3 r90 top
R9 "8K06" RESC1005X40N 95.95,52.75 r0 top
R10 "10K" RESC1005X40N 40.8,9 r90 top
R11 "100R" RESC1005X40N 42.8,9 r270 top
R12 "100R" RESC1005X40N 39.8,9 r270 top
R13 "33R" RESC1005X40N 111.575,90.725 r90 top
R14 "4K99" RESC1005X40N 122.5,89.95 r270 top
R15 "4K99" RESC1005X40N 111.65,92.45 r90 top
R16 "1M" RESC3216X65N 103.8,161.566 r270 top
R17 "4K99" RESC1005X40N 67.4,11.85 r180 bottom
R18 "4K99" RESC1005X40N 92.16,141.78 r270 bottom
R19 "33R" RESC1005X40N 23.075,46.7 r0 bottom
R20 "0R" RESC1005X40N 31.4,16 r0 top
R21 "4K99" RESC1005X40N 91.16,141.78 r270 bottom
R22 "49K9" RESC1005X40N 33.45,7.325 r180 top
R23 "49K9" RESC1005X40N 38.8,9 r90 top
R24 "0R" RESC1005X40N 37.4,12.525 r90 top
R25 "2K" RESC1005X40N 31.4,17.8 r180 top
R26 "2K" RESC1005X40N 31.4,16.9 r180 top
R27 "4K99" RESC1005X40N 76.825,7.35 r270 bottom
R28 "100R" RESC1005X40N 74.825,7.35 r270 bottom
R29 "10K" RESC1005X40N 75.825,7.35 r270 bottom
R30 "0R" RESC1005X40N 35.4,11.625 r90 top
R31 "0R" RESC1005X40N 36.4,11.625 r90 top
R32 "0R" RESC1005X40N 24.05,72.9 r270 bottom
R33 "4K99" RESC1005X40N 67.4,12.85 r180 bottom
R34 "10K" RESC1005X40N 37.5,6.6 r180 top
R35 "10K" RESC1005X40N 41.7,6.6 r0 top
R36 "100R" RESC1005X40N 110,139.5 r0 bottom
R37 "100R" RESC1005X40N 134.5,74 r270 bottom
R38 "100K" RESC1005X40N 143.2,150.95 r90 top
R39 "100K" RESC1005X40N 143.9,154.6 r90 top
R40 "4K99" RESC1005X40N 143.9,152.8 r90 top
R41 "4K99" RESC1005X40N 144.9,152.8 r270 top
R42 "100K" RESC1005X40N 140.8,150.95 r270 top
R43 "0R" RESC1005X40N 130.5,162.45 r90 top
R44 "0R" RESC1005X40N 130.5,164.27 r270 top
R45 "4K7" RESC1005X40N 152.55,20.75 r0 top
R46 "4K99" RESC1005X40N 116.625,30.025 r270 top
R47 "1M" RESC1005X40N 139.1,154.6 r90 top
R48 "1K5" RESC1005X40N 152.55,19.8 r180 top
R49 "1M" RESC1005X40N 140.1,154.6 r270 top
R50 "4K99" RESC1005X40N 114.95,28.25 r270 top
R51 "147K" RESC1005X40N 135.975,83.575 r270 top
R52 "105K" RESC1005X40N 135.525,85.275 r90 top
R53 "4K7" RESC1005X40N 117.45,16.7 r270 top
R54 "1K5" RESC1005X40N 116.5,16.7 r90 top
R55 "8K06" RESC1005X40N 152.595,34.3 r0 top
R56 "1K5" RESC1005X40N 152.6,33.35 r180 top
R57 "4K7" RESC1005X40N 133.9,16.7 r270 top
R58 "1K5" RESC1005X40N 132.95,16.7 r90 top
R59 "100R" RESC1005X40N 99.35,86.8 r90 top
R60 "100R" RESC1005X40N 28.575,23.75 r270 bottom
R61 "100R" RESC1005X40N 27.275,23.725 r270 bottom
R62 "4K99" RESC1005X40N 85.8,144.655 r180 bottom
R63 "4K99" RESC1005X40N 116.65,35.35 r270 top
R64 "10K" RESC1005X40N 131.35,122.74 r180 top
R65 "8K06" RESC1005X40N 95.95,51.5 r180 top
R66 "4K7" RESC1005X40N 140.69,163.635 r90 bottom
R67 "1K5" RESC1005X40N 140.69,161.88 r270 bottom
R68 "33R" RESC1005X40N 93.55,54.75 r180 top
R69 "10K" RESC1005X40N 131.785,146.475 r270 top
R70 "10K" RESC1005X40N 130.515,146.475 r270 top
R71 "2K" RESC1005X40N 85.8,147.425 r180 bottom
R72 "1K5" RESC1005X40N 149.85,167.46 r90 top
R73 "1K5" RESC1005X40N 152.74,167.46 r90 top
R74 "1K5" RESC1005X40N 56.75,3.85 r270 top
R75 "1K5" RESC1005X40N 55.2,3.85 r270 top
R76 "2K" RESC1005X40N 85.8,146.525 r180 bottom
R77 "10K" RESC1005X40N 103.05,102.3 r0 bottom
R78 "1K5" RESC1005X40N 107.35,121.6 r180 top
R79 "0R" RESC1005X40N 103.05,97.65 r270 top
R80 "0R" RESC1005X40N 103.95,97.65 r90 top
R81 "10K" RESC1005X40N 36.1,30.3 r0 bottom
R82 "8K06" RESC1005X40N 149.05,50.25 r270 bottom
R83 "10K" RESC1005X40N 104.86,97.65 r270 top
R84 "49R9" RESC1005X40N 141.55,149 r270 bottom
R85 "10K" RESC1005X40N 105.76,97.65 r90 top